# Altium PCB PCB5_制版20140402.PcbDoc (part 4 of 5)
Units mil, origin at the board's own origin, x right, y up, seen from the top; angles counter-clockwise.
Board outline 4763.78 x 6574.87 mil, 6 copper layers (Top Layer, GND, ADDR, DATA, VCC, Bottom Layer), stack 80.842 mil thick; 385 components, 444 nets, 1700 pads, 1572 vias.
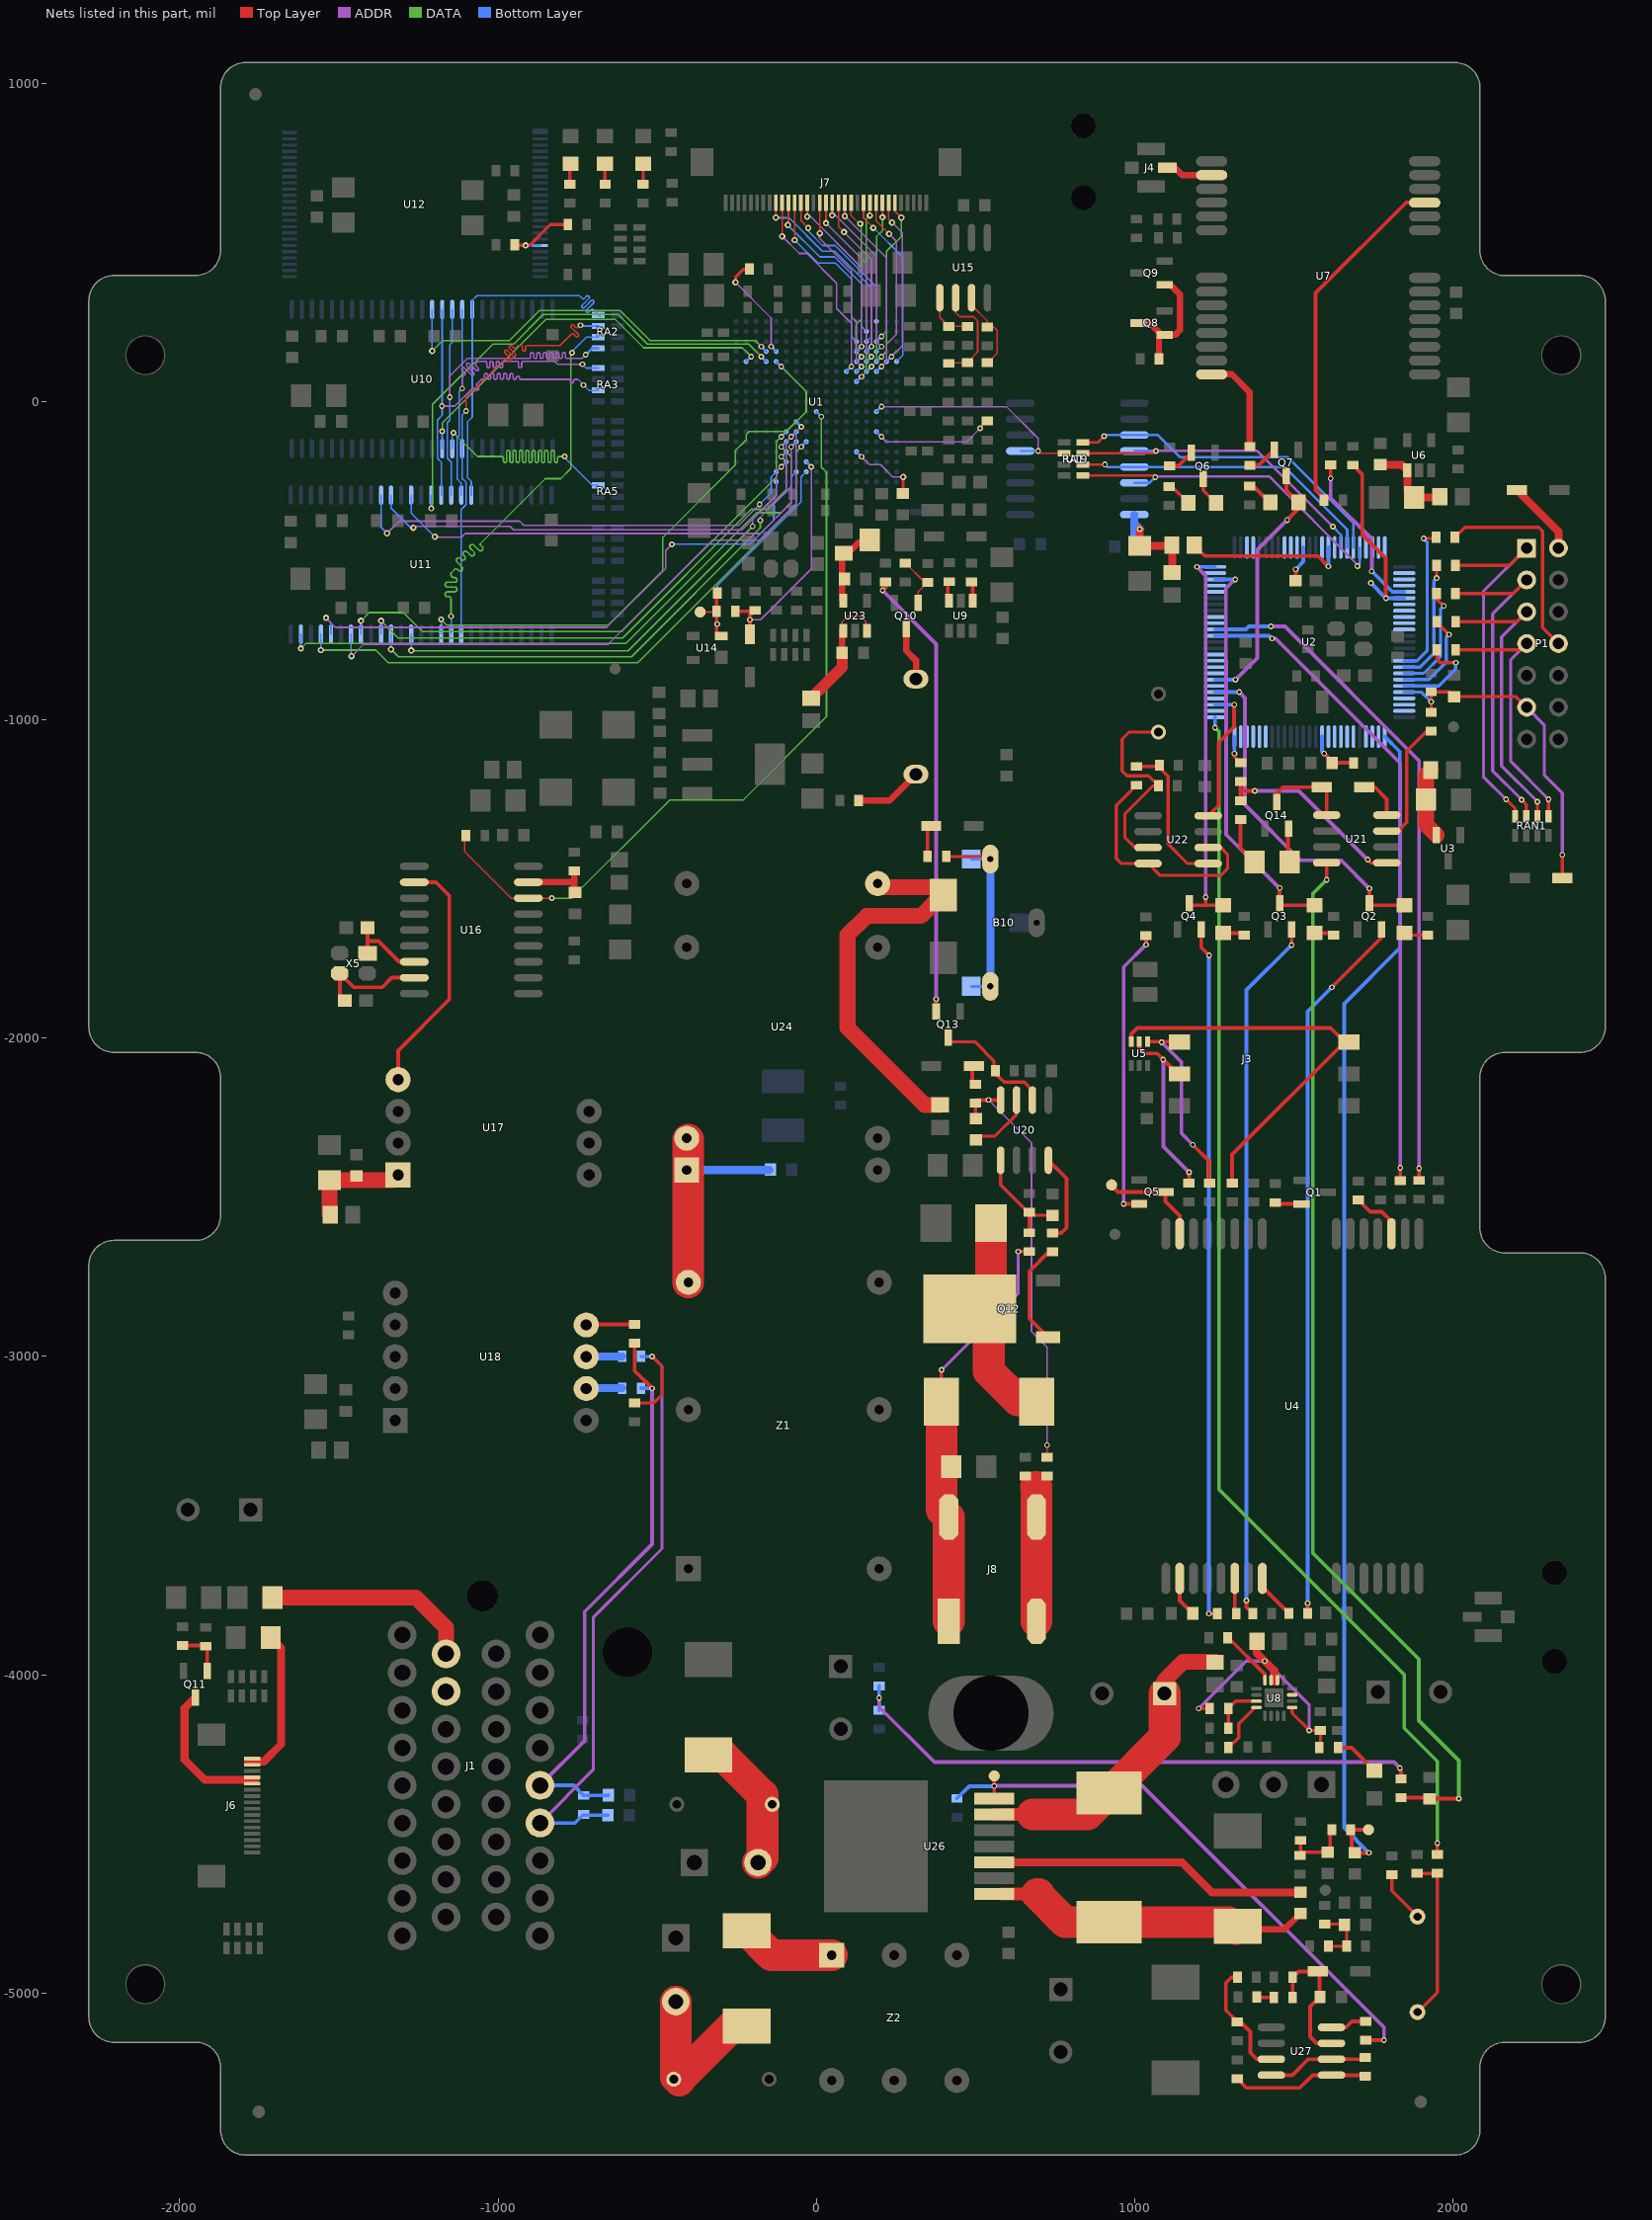
[diagram p8: the nets of this part, all layers, seen from the top]

## Via types
v1: diameter 18, hole 10, Top Layer to Bottom Layer, 1138 vias
v2: diameter 18, hole 10, Top Layer to Bottom Layer, tented both sides, 290 vias
v3: diameter 20, hole 10, Top Layer to Bottom Layer, tented both sides, 89 vias
v4: diameter 50, hole 28, Top Layer to Bottom Layer, 43 vias
v5: diameter 20, hole 10, Top Layer to Bottom Layer, 7 vias
v6: diameter 23.62, hole 11.81, Top Layer to Bottom Layer, tented both sides, 5 vias

## Nets (pads, with @x,y where several pads share a name; then routed paths per layer and width w, separated by ;. In a path a pad name is that pad's centre, name@x,y a point inside that pad or via, vN(x,y) a via of type N, cw(c..) or ccw(c..) an arc to the next point about the centre after c; other vN are vias at no path point) (continued)
LDATA21: U1.E16 U11.10 | length 1471.2
  ADDR w5: v3(-1348.4,-413.82) -1310.01,-375.43 -932.06,-375.43 -918.72,-388.78 -244.09,-388.78 v2(-178.15,-322.83)
  Bottom Layer w5: U11.10@-1367.48,-293.5 -1367.48,-394.74 v3(-1348.4,-413.82) ; v2(-178.15,-322.83) -141.73,-286.42 -141.73,-236.22 U1.E16@-125.98,-220.47
LDATA22: U1.F15 U11.11 | length 1446.5
  ADDR w5: v3(-1265.72,-396.1) -1261.58,-391.96 -961.79,-391.96 -951.2,-402.56 -233.27,-402.56 -125.98,-295.28 -125.98,-220.47 v2(-110.24,-204.72)
  Bottom Layer w5: U11.11@-1335.98,-293.5 -1335.98,-334.7 -1274.58,-396.1 v3(-1265.72,-396.1)
  Bottom Layer w8: v2(-110.24,-204.72) U1.F15@-94.49,-188.98
LDATA23: U1.G13 U11.13 | length 1524.8
  ADDR w5: v3(-1198.79,-424.65) -1197.81,-425.63 -1114.61,-425.63 -1103.35,-414.37 -176.18,-414.37 -78.74,-316.93 v2(-78.74,-141.73)
  Bottom Layer w5: U11.13@-1272.99,-293.5 -1272.99,-350.45 v3(-1198.79,-424.65)
  Bottom Layer w8: v2(-78.74,-141.73) U1.G13@-62.99,-125.98
LDATA24: U1.E17 U11.42 | length 1459.3
  Top Layer w5: v3(-1272.63,-781.78) v3@-1272.46,-781.78
  DATA w5: v3@-1272.63,-788.82 -1266.73,-782.91 -590.99,-782.91 v2(-200,-392)
  Bottom Layer w5: U11.42@-1272.99,-730.5 -1272.99,-781.42 v3(-1272.63,-781.78) ; v2(-200,-392) -200,-368.31 -125.98,-294.29 U1.E17@-125.98,-251.97
LDATA25: U1.G12 U11.44 | length 1734.5
  ADDR w5: v2(-176,-373) -176,-363.01 -94.74,-281.74 -94.74,-126.23 v2(-78.74,-110.24)
  DATA w5: v3(-1335.98,-778.6) -1312.97,-801.62 -580.68,-801.62 -176,-396.93 v2(-176,-373)
  Bottom Layer w5: v3(-1335.98,-778.6) U11.44@-1335.98,-730.5
  Bottom Layer w8: v2(-78.74,-110.24) U1.G12@-62.99,-94.49
LDATA26: U1.F14 U11.45 | length 1661.5
  DATA w5: v3(-1367.48,-688.81) -1313.73,-742.56 -608.7,-742.56 -204.48,-338.33 -156.97,-338.33 -94.74,-276.11 -94.74,-188.73 v2(-110.24,-173.23)
  Bottom Layer w5: U11.45@-1367.48,-730.5 v3(-1367.48,-688.81)
  Bottom Layer w8: v2(-110.24,-173.23) U1.F14@-94.49,-157.48
LDATA27: U1.F12 U11.47 | length 1737.9
  DATA w5: v3(-1430.47,-688.81) -1404.5,-662.84 -1297.22,-662.84 -1238.16,-721.89 -610.67,-721.89 -125.98,-237.2 -125.98,-125.98 v2(-110.24,-110.24)
  Bottom Layer w5: U11.47@-1430.47,-730.5 v3(-1430.47,-688.81)
  Bottom Layer w8: v2(-110.24,-110.24) U1.F12@-94.49,-94.49
LDATA28: U1.G11 U11.48 | length 1936.9
  ADDR w5: v3@-1460.63,-797.53 -1457.5,-797.53 -1422.07,-762.1 -653.83,-762.1 -326.77,-435.04 -179.13,-435.04 -62.99,-318.9 -62.99,-94.49 v2(-47.24,-78.74)
  Bottom Layer w5: U11.48@-1461.97,-730.5 -1461.97,-799.27 v3@-1459.62,-801.62
  Bottom Layer w8: U1.G11@-62.99,-62.99 v2(-47.24,-78.74)
  other v3: -1460.6,-799.65
LDATA29: U1.G16 U11.50 | length 1831.2
  ADDR w5: v3@-1541.31,-679.57 -1511.79,-709.1 -658.44,-709.1 -473.67,-524.33 -473.67,-467.67 v1(-454.23,-448.23)
  Bottom Layer w5: v3(-1540.33,-679.57) -1524.96,-694.94 U11.50@-1524.96,-730.5 ; v1(-454.23,-448.23) -209.19,-448.23 -134,-373.04 -134,-323 -79,-268 -79,-236.48 U1.G16@-62.99,-220.47
LDATA30: U1.H13 U11.51 | length 1975.5
  DATA w5: v3(-1556.46,-780.57) -1384.21,-780.57 -1344.46,-820.32 -561.27,-820.32 -62.99,-322.03 -62.99,-157.48 v2(-47.24,-141.73)
  Bottom Layer w5: v3(-1556.46,-780.57) U11.51@-1556.46,-730.5
  Bottom Layer w8: v2(-47.24,-141.73) U1.H13@-31.5,-125.98
LDATA31: U1.F13 U11.53 | length 1986.4
  DATA w5: v3(-1619.45,-775.65) -1604.08,-760.28 -598.86,-760.28 -187.75,-349.17 -110.98,-349.17 -78.74,-316.93 -78.74,-173.23 v2(-110.24,-141.73)
  Bottom Layer w5: v3(-1619.45,-775.65) U11.53@-1619.45,-730.5
  Bottom Layer w8: v2(-110.24,-141.73) U1.F13@-94.49,-125.98
LDNWBE0: U1.D4 U10.15 | length 1283.7
  DATA w5: v3@-1205.68,160 -1173.75,191.93 -964.57,191.93 -870.08,286.42 -617.13,286.42 -523.62,192.91 ; -523.62,191.93 -191.93,191.93 v2(-173.23,173.23)
  Bottom Layer w5: v3(-1207,159.35) U10.15@-1207,289.5
  Bottom Layer w8: v2(-173.23,173.23) U1.D4@-157.48,157.48
LDNWBE1: U1.B5 U10.39 | length 1260.4
  Top Layer w5: v2(-1175.2,-92.83) v2@-1172.24,-89.87
  DATA w5: v2(-1175.2,-92.83) -1175.2,-66.93 -850.22,258.05 -631.08,258.05 -542.32,169.29 -232.28,169.29 v2(-204.72,141.73)
  Bottom Layer w5: U10.39@-1175.5,-147.5 -1175.5,-93.13 v2(-1175.2,-92.83)
  Bottom Layer w8: U1.B5@-220.47,125.99 v2(-204.72,141.73)
LDNWBE2: U1.D5 U11.15 | length 1597.2
  Top Layer w5: v2(-1209.7,-335.65) v2@-1209.65,-335.59
  DATA w5: v2(-1209.7,-335.65) -1205.71,-331.65 -1205.71,-8.86 -1015.75,181.1 -950.79,181.1 -858.27,273.62 -623.03,273.62 -530.51,181.1 -212.6,181.1 v2(-173.23,141.73)
  Bottom Layer w5: U11.15@-1210,-293.5 -1210,-335.35 v2(-1209.7,-335.65)
  Bottom Layer w8: v2(-173.23,141.73) U1.D5@-157.48,125.99
LDNWBE3: U1.E5 U11.39 | length 1770.6
  DATA w5: v2(-1178.5,-684.68) -1160.43,-702.76 -655.51,-702.76 -482,-529.24 -482,-426.88 -254.92,-199.8 -254.92,-154.53 -220.22,-119.83 -220.22,-103.82 -210.65,-94.24 -94.24,-94.24 -31.74,-31.74 -31.74,31.75 v2(-110.24,110.24)
  Bottom Layer w5: U11.39@-1178.5,-730.5 v2(-1178.5,-684.68)
  Bottom Layer w8: U1.E5@-125.98,125.99 v2(-110.24,110.24)
LNSCAS: RA2.5 U10.17 U11.17 | length 1336.3
  ADDR w5: v2(-1151.53,13.78) -1151.53,80.75 -1096.78,135.5 -902.95,135.5 ccw(c-902.95,140.5) -897.95,140.5 -897.95,149.18 cw(c-892.95,149.18) -892.95,154.18 cw(c-892.95,149.18) -887.95,149.18 -887.95,140.5 ccw(c-882.95,140.5) -882.95,135.5 ccw(c-882.95,140.5) -877.95,140.5 -877.95,149.18 cw(c-872.95,149.18) -872.95,154.18 cw(c-872.95,149.18) -867.95,149.18 -867.95,140.5 ccw(c-862.95,140.5) -862.95,135.5 ccw(c-862.95,140.5) -857.95,140.5 -857.95,149.18 cw(c-852.95,149.18) -852.95,154.18 cw(c-852.95,149.18) -847.95,149.18 -847.95,140.5 ccw(c-842.95,140.5) -842.95,135.5 ccw(c-842.95,140.5) -837.95,140.5 -837.95,149.18 cw(c-832.95,149.18) -832.95,154.18 cw(c-832.95,149.18) -827.95,149.18 -827.95,140.5 ccw(c-822.95,140.5) -822.95,135.5 ccw(c-822.95,140.5) -817.95,140.5 -817.95,149.18 cw(c-812.95,149.18) -812.95,154.18 cw(c-812.95,149.18) -807.95,149.18 -807.95,140.5 ccw(c-802.95,140.5) -802.95,135.5 ccw(c-802.95,140.5) -797.95,140.5 -797.95,149.18 cw(c-792.95,149.18) -792.95,154.18 cw(c-792.95,149.18) -787.95,149.18 -787.95,140.5 ccw(c-782.95,140.5) -782.95,135.5 -736.55,135.5 v2(-724.41,147.64)
  Bottom Layer w5: U11.17@-1147.01,-293.5 -1147.01,-189.81 -1159.2,-177.62 -1159.2,-65.7 -1151.53,-58.03 v2(-1151.53,13.78) -1151.53,178.78 -1144.01,186.31 U10.17@-1144.01,289.5
  Bottom Layer w8: v2(-724.41,147.64) -704.41,167.64 RA2.5@-685.13,167.64
LNSCS0: RA2.8 U10.19 U11.19 | length 1199.9
  Bottom Layer w5: U11.19@-1084.02,-293.5 -1084.02,-250.48 -1096.21,-238.29 -1096.21,-63.73 -1081.02,-48.54 U10.19@-1081.02,289.5 -1081.02,318.48 -1066.5,333 -744.42,333 -735.65,324.23 ccw(c-732.12,327.77) -728.58,324.23 -721.51,331.3 cw(c-717.97,327.77) -714.44,331.3 cw(c-717.97,327.77) -714.44,324.23 -735.65,303.02 ccw(c-732.12,299.48) -735.65,295.95 ccw(c-732.12,299.48) -728.58,295.95 -707.37,317.16 cw(c-703.83,313.63) -700.3,317.16 cw(c-703.83,313.63) -700.3,310.09 -721.51,288.88 ccw(c-717.97,285.34) -721.51,281.81 ccw(c-717.97,285.34) -714.44,281.81 -707.37,288.88 cw(c-703.83,285.34) -700.3,288.88 RA2.8@-684.06,272.64 ; RA2.8@-685.13,272.64 RA2.8@-684.06,272.64 ; RA2.8@-677.71,266.29 RA2.8@-684.06,272.64
LNSRAS: RA3.8 U10.18 U11.18 | length 1350.4
  ADDR w5: v2(-1112.51,41.34) -1112.51,76.46 -1104.9,84.07 ccw(c-1108.44,87.61) -1104.9,91.14 -1111.97,98.22 cw(c-1108.44,101.75) -1111.97,105.29 cw(c-1108.44,101.75) -1104.9,105.29 -1083.69,84.07 ccw(c-1080.15,87.61) -1076.62,84.07 ccw(c-1080.15,87.61) -1076.62,91.14 -1097.83,112.36 cw(c-1094.3,115.89) -1097.83,119.43 cw(c-1094.3,115.89) -1090.76,119.43 -1069.55,98.22 ccw(c-1066.01,101.75) -1062.48,98.22 ccw(c-1066.01,101.75) -1062.48,105.29 -1069.55,112.36 cw(c-1066.01,115.89) -1069.55,119.43 -1062.48,126.5 -1040.59,126.5 cw(c-1040.59,121.5) -1035.59,121.5 -1035.59,111.5 ccw(c-1030.59,111.5) -1030.59,106.5 ccw(c-1030.59,111.5) -1025.59,111.5 -1025.59,121.5 cw(c-1020.59,121.5) -1020.59,126.5 cw(c-1020.59,121.5) -1015.59,121.5 -1015.59,111.5 ccw(c-1010.59,111.5) -1010.59,106.5 ccw(c-1010.59,111.5) -1005.59,111.5 -1005.59,121.5 cw(c-1000.59,121.5) -1000.59,126.5 cw(c-1000.59,121.5) -995.59,121.5 -995.59,111.5 ccw(c-990.59,111.5) -990.59,106.5 ccw(c-990.59,111.5) -985.59,111.5 -985.59,121.5 cw(c-980.59,121.5) -980.59,126.5 -940.59,126.5 cw(c-940.59,121.5) -935.59,121.5 -935.59,111.5 ccw(c-930.59,111.5) -930.59,106.5 ccw(c-930.59,111.5) -925.59,111.5 -925.59,121.5 cw(c-920.59,121.5) -920.59,126.5 -822.08,126.5 -812.7,117.13 v2(-735.24,117.13)
  Bottom Layer w5: U11.18@-1115.51,-293.5 -1115.51,-255.98 -1127.7,-243.79 -1127.7,-111.19 -1122.05,-105.54 -1122.05,31.8 v2(-1112.51,41.34) U10.18@-1112.51,289.5 ; v2(-735.24,117.13) -723.69,105.58 RA3.8@-685.13,105.58
LNWE: RA3.6 U10.16 U11.16 | length 1328.8
  ADDR w5: v2(-1176.5,-14) -1136.05,-14 -1080.45,41.6 cw(c-1076.91,38.06) -1073.38,41.6 -1069.1,37.32 ccw(c-1065.56,40.85) -1062.03,37.32 ccw(c-1065.56,40.85) -1062.03,44.39 -1066.31,48.67 cw(c-1062.77,52.2) -1066.31,55.74 -1052.17,69.88 -1047.87,69.88 ccw(c-1047.87,74.88) -1042.87,74.88 -1042.87,83.67 cw(c-1037.87,83.67) -1037.87,88.67 cw(c-1037.87,83.67) -1032.87,83.67 -1032.87,74.88 ccw(c-1027.87,74.88) -1027.87,69.88 ccw(c-1027.87,74.88) -1022.87,74.88 -1022.87,83.67 cw(c-1017.87,83.67) -1017.87,88.67 cw(c-1017.87,83.67) -1012.87,83.67 -1012.87,74.88 ccw(c-1007.87,74.88) -1007.87,69.88 ccw(c-1007.87,74.88) -1002.87,74.88 -1002.87,83.67 cw(c-997.87,83.67) -997.87,88.67 cw(c-997.87,83.67) -992.87,83.67 -992.87,74.88 ccw(c-987.87,74.88) -987.87,69.88 ccw(c-987.87,74.88) -982.87,74.88 -982.87,83.67 cw(c-977.87,83.67) -977.87,88.67 cw(c-977.87,83.67) -972.87,83.67 -972.87,74.88 ccw(c-967.87,74.88) -967.87,69.88 ccw(c-967.87,74.88) -962.87,74.88 -962.87,83.67 cw(c-957.87,83.67) -957.87,88.67 cw(c-957.87,83.67) -952.87,83.67 -952.87,74.88 ccw(c-947.87,74.88) -947.87,69.88 ccw(c-947.87,74.88) -942.87,74.88 cw(c-937.87,74.88) -937.87,79.88 cw(c-937.87,74.88) -932.87,74.88 ccw(c-927.87,74.88) -927.87,69.88 -777.87,69.88 cw(c-777.87,64.88) -772.87,64.88 -772.87,63.49 ccw(c-767.87,63.49) -767.87,58.49 ccw(c-767.87,63.49) -762.87,63.49 -762.87,64.88 cw(c-757.87,64.88) -757.87,69.88 -749.02,69.88 v2(-731.3,52.17)
  Bottom Layer w5: U11.16@-1178.5,-293.5 -1178.5,-189.81 -1190.7,-177.62 -1190.7,-57.82 -1175.5,-42.63 U10.16@-1175.5,289.5 ; v2(-731.3,52.17) -714.72,35.58 RA3.6@-685.13,35.58
LSCKE: RA2.7 U10.37 U11.37 | length 1479.5
  Top Layer w5: v2(-1100.39,-29.53) -1100.39,12.8 -979.43,133.75 cw(c-975.9,130.22) -972.36,133.75 -967,128.39 ccw(c-963.47,131.93) -959.93,128.39 ccw(c-963.47,131.93) -959.93,135.46 -977.73,153.26 cw(c-974.19,156.79) -977.73,160.33 cw(c-974.19,156.79) -970.65,160.33 -952.86,142.53 ccw(c-949.32,146.07) -945.79,142.53 ccw(c-949.32,146.07) -945.79,149.61 -963.58,167.4 cw(c-960.05,170.94) -963.58,174.47 cw(c-960.05,170.94) -956.51,174.47 -951.15,169.11 ccw(c-947.61,172.65) -944.08,169.11 -937.01,176.18 -928.46,176.18 cw(c-928.46,171.18) -923.46,171.18 -923.46,163.6 ccw(c-918.46,163.6) -918.46,158.6 ccw(c-918.46,163.6) -913.46,163.6 -913.46,171.18 cw(c-908.46,171.18) -908.46,176.18 -805.16,176.18 -769.46,211.89 cw(c-765.93,208.35) -762.39,211.88 -755.32,204.81 ccw(c-751.78,208.35) -748.25,204.81 ccw(c-751.78,208.35) -748.25,211.88 -769.46,233.1 cw(c-765.93,236.63) -769.46,240.17 cw(c-765.93,236.63) -762.39,240.17 -755.32,233.1 ccw(c-751.78,236.63) -748.25,233.1 v2(-741.18,240.17)
  Bottom Layer w5: U11.37@-1115.51,-730.5 -1115.51,-338.8 -1100.32,-323.61 -1100.32,-253.18 -1112.51,-240.98 U10.37@-1112.51,-147.5 -1112.51,-41.65 v2(-1100.39,-29.53) ; v2@-738.65,237.64 RA2.7@-685.13,237.64
LSCLK0: RA5.7 U10.38 | length 1154.5
  Top Layer w5: v2@-790.39,-175.16 v2(-790.39,-172.25)
  DATA w5: v2(-1139.76,-97.44) -1064.95,-172.25 -988.07,-172.25 cw(c-988.07,-177.25) -983.07,-177.25 -983.07,-186.41 ccw(c-978.07,-186.41) -978.07,-191.41 ccw(c-978.07,-186.41) -973.07,-186.41 -973.07,-158.1 cw(c-968.07,-158.1) -968.07,-153.1 cw(c-968.07,-158.1) -963.07,-158.1 -963.07,-186.41 ccw(c-958.07,-186.41) -958.07,-191.41 ccw(c-958.07,-186.41) -953.07,-186.41 -953.07,-158.1 cw(c-948.07,-158.1) -948.07,-153.1 cw(c-948.07,-158.1) -943.07,-158.1 -943.07,-186.41 ccw(c-938.07,-186.41) -938.07,-191.41 ccw(c-938.07,-186.41) -933.07,-186.41 -933.07,-158.1 cw(c-928.07,-158.1) -928.07,-153.1 cw(c-928.07,-158.1) -923.07,-158.1 -923.07,-186.41 ccw(c-918.07,-186.41) -918.07,-191.41 ccw(c-918.07,-186.41) -913.07,-186.41 -913.07,-158.1 cw(c-908.07,-158.1) -908.07,-153.1 cw(c-908.07,-158.1) -903.07,-158.1 -903.07,-186.41 ccw(c-898.07,-186.41) -898.07,-191.41 ccw(c-898.07,-186.41) -893.07,-186.41 -893.07,-158.1 cw(c-888.07,-158.1) -888.07,-153.1 cw(c-888.07,-158.1) -883.07,-158.1 -883.07,-186.41 ccw(c-878.07,-186.41) -878.07,-191.41 ccw(c-878.07,-186.41) -873.07,-186.41 -873.07,-158.1 cw(c-868.07,-158.1) -868.07,-153.1 cw(c-868.07,-158.1) -863.07,-158.1 -863.07,-186.41 ccw(c-858.07,-186.41) -858.07,-191.41 ccw(c-858.07,-186.41) -853.07,-186.41 -853.07,-158.1 cw(c-848.07,-158.1) -848.07,-153.1 cw(c-848.07,-158.1) -843.07,-158.1 -843.07,-186.41 ccw(c-838.07,-186.41) -838.07,-191.41 ccw(c-838.07,-186.41) -833.07,-186.41 -833.07,-158.1 cw(c-828.07,-158.1) -828.07,-153.1 cw(c-828.07,-158.1) -823.07,-158.1 -823.07,-186.41 ccw(c-818.07,-186.41) -818.07,-191.41 ccw(c-818.07,-186.41) -813.07,-186.41 -813.07,-177.25 cw(c-808.07,-177.25) -808.07,-172.25 v2(-790.39,-172.25)
  Bottom Layer w5: U10.38@-1144.01,-147.5 -1144.01,-101.69 v2(-1139.76,-97.44) ; v2(-790.39,-172.25) -790.39,-176.14 -703,-263.54 RA5.7@-685.13,-263.54
LSCLK1: RA2.6 U11.38 | length 1456
  DATA w5: v2(-1147.64,-674.21) -1147.64,-620.08 ccw(c-1155.14,-620.08) -1155.14,-612.58 -1158.92,-612.58 cw(c-1158.92,-605.08) -1166.42,-605.08 cw(c-1158.92,-605.08) -1158.92,-597.58 -1136.36,-597.58 ccw(c-1136.36,-590.08) -1128.86,-590.08 ccw(c-1136.36,-590.08) -1136.36,-582.58 -1158.92,-582.58 cw(c-1158.92,-575.08) -1166.42,-575.08 cw(c-1158.92,-575.08) -1158.92,-567.58 -1136.36,-567.58 ccw(c-1136.36,-560.08) -1128.86,-560.08 ccw(c-1136.36,-560.08) -1136.36,-552.58 -1140.14,-552.58 cw(c-1140.14,-545.08) -1147.64,-545.08 -1147.64,-538.39 -1137.03,-527.78 cw(c-1131.73,-533.08) -1126.43,-527.78 -1123.75,-530.45 ccw(c-1118.45,-525.15) -1113.14,-530.45 ccw(c-1118.45,-525.15) -1113.14,-519.85 -1129.1,-503.89 cw(c-1123.8,-498.59) -1129.1,-493.29 cw(c-1123.8,-498.59) -1118.5,-493.28 -1115.82,-495.96 ; -1115.81,-495.96 ccw(c-1110.51,-490.66) -1105.21,-495.96 ccw(c-1110.51,-490.66) -1105.21,-485.36 -1107.89,-482.68 cw(c-1102.58,-477.38) -1107.89,-472.07 cw(c-1102.58,-477.38) -1097.28,-472.07 -1086.68,-482.67 ccw(c-1081.37,-477.37) -1076.07,-482.67 ccw(c-1081.37,-477.37) -1076.07,-472.07 ; -1076.07,-472.07 -1086.67,-461.47 cw(c-1081.37,-456.16) -1086.67,-450.86 cw(c-1081.37,-456.16) -1076.07,-450.86 ; -1076.07,-450.86 -1060.11,-466.81 ccw(c-1054.81,-461.51) -1049.5,-466.81 ccw(c-1054.81,-461.51) -1049.5,-456.21 ; -1049.5,-456.21 -1056.1,-449.61 cw(c-1054.72,-448.23) -1056.1,-446.85 -851.38,-242.13 -803.15,-242.13 -771.44,-210.42 -771.44,149.82 v2(-767.72,153.54)
  Bottom Layer w5: v2(-1147.64,-674.21) -1147.01,-674.84 U11.38@-1147.01,-730.5 ; v2(-767.72,153.54) -769.69,155.51 -722.55,202.64 RA2.6@-685.13,202.64
LVD2: J7.20 U1.N4 | length 551.1
  Top Layer w5: v3(-28.67,581.41) J7.20@-28.67,624.44
  ADDR w5: v3(-28.67,581.41) -27.84,582.24 -18.68,582.24 141.73,421.83 v2(141.73,173.23)
  Bottom Layer w8: U1.N4@125.99,157.48 v2(141.73,173.23)
LVD3: J7.21 U1.R1 | length 494.1
  Top Layer w5: J7.21@-48.36,624.44 -48.36,568.62 v3(-25.57,545.83)
  Bottom Layer w5: v3(-25.57,545.83) -25.57,535.98 19.71,490.71 59.49,490.71 188.98,361.22 U1.R1@188.98,251.97
LVD4: J7.22 U1.N3 | length 548.3
  Top Layer w5: v3(-68.04,507.6) J7.22@-68.04,624.44
  Bottom Layer w5: v3(-68.04,507.6) 4.45,435.1 59.9,435.1 110.24,384.76 110.24,204.73 U1.N3@125.99,188.98
LVD5: J7.23 U1.P2 | length 534.5
  Top Layer w5: v3(-89.5,554.9) -87.73,556.67 J7.23@-87.73,624.44
  Bottom Layer w5: v3(-89.5,554.9) 10.61,454.78 57.6,454.78 141.49,370.9 141.49,236.47 U1.P2@157.48,220.47
LVD6: J7.24 U1.M6 | length 640.7
  Top Layer w5: v3(-107.41,519.41) J7.24@-107.41,624.44
  ADDR w5: v3(-107.41,519.41) -53.62,465.61 -29.61,465.61 63.98,372.02 63.98,292.32 110.24,246.06 v2(110.24,110.24)
  Bottom Layer w8: U1.M6@94.49,94.49 v2(110.24,110.24)
LVD7: J7.25 U1.P3 | length 611.5
  Top Layer w5: v3(-127.1,578.46) J7.25@-127.1,624.44
  Bottom Layer w5: v3@-125.96,577.32 -85.6,577.32 18.73,472.99 58.1,472.99 173.23,357.86 173.23,204.72 U1.P3@157.48,188.98
LVD10: J7.13 U1.N5 | length 532
  Top Layer w5: J7.13@109.12,624.44 109.12,585.35 135.64,558.84 v3(137.87,558.84)
  DATA w5: v2(141.73,141.73) 125.03,158.44 125.03,241.96 141.76,258.7 v3@141.76,558.84
  Bottom Layer w8: U1.N5@125.99,125.99 v2(141.73,141.73)
LVD11: J7.14 U1.R3 | length 502.8
  Top Layer w5: v3(89.44,583.07) J7.14@89.44,624.44
  ADDR w5: v3(89.44,583.07) 220.47,452.04 220.47,220.47 v2(204.72,204.72)
  Bottom Layer w8: U1.R3@188.98,188.98 v2(204.72,204.72)
LVD12: J7.15 U1.P4 | length 516.3
  Top Layer w5: J7.15@69.75,624.44 69.75,549.61 v3(86.64,532.72)
  ADDR w5: v3(86.64,532.72) 173.23,446.13 v2(173.23,173.23)
  Bottom Layer w8: U1.P4@157.48,157.48 v2(173.23,173.23)
LVD13: J7.16 U1.R4 | length 543.9
  Top Layer w5: v3(50.07,585.35) J7.16@50.07,624.44
  ADDR w5: v3(50.07,585.35) 60.89,585.35 188.98,457.27 188.98,188.98 v2(204.72,173.23)
  Bottom Layer w5: U1.R4@188.98,157.48 v2(204.72,173.23)
LVD14: J7.17 U1.P5 | length 564.1
  Top Layer w5: v3(30.38,560.75) J7.17@30.38,624.44
  ADDR w5: v3(30.38,560.75) 157.48,433.64 157.48,157.48 v2(173.23,141.73)
  Bottom Layer w8: U1.P5@157.48,125.99 v2(173.23,141.73)
LVD15: J7.18 U1.N6 | length 589.7
  Top Layer w5: v3(10.7,528.96) J7.18@10.7,624.44
  ADDR w5: v3@8.86,527.12 8.86,514.35 110,413.21 110,266.96 125.98,250.98 125.98,125.99 v2(141.73,110.24)
  Bottom Layer w8: U1.N6@125.99,94.49 v2(141.73,110.24)
LVD18: J7.6 U1.R5 | length 538.9
  Top Layer w5: J7.6@246.92,624.44 246.92,598.15 v3(266.76,578.31)
  DATA w5: v2(204.73,141.73) 220.72,157.73 220.72,472.72 266.76,518.75 v3(266.76,578.31)
  Bottom Layer w8: U1.R5@188.98,125.99 v2(204.73,141.73)
LVD19: J7.7 U1.T5 | length 537.3
  Top Layer w5: J7.7@227.23,624.44 227.23,573.54 v3(238.21,562.56)
  ADDR w5: v2(236.22,141.73) 270.69,176.21 270.69,530.08 v3(238.21,562.56)
  Bottom Layer w8: U1.T5@220.47,125.99 v2(236.22,141.73)
LVD20: J7.8 U1.P6 | length 550.6
  Top Layer w5: v3(207.55,579.13) J7.8@207.55,624.44
  DATA w5: v2(173.23,110.24) 188.98,125.98 188.98,518.24 207.7,536.97 v3@207.7,578.98
  Bottom Layer w8: U1.P6@157.48,94.49 v2(173.23,110.24)
LVD21: J7.9 U1.R6 | length 582.6
  Top Layer w5: J7.9@187.86,624.44 187.86,568.07 v3(228.81,527.12)
  ADDR w5: v2(204.73,110.24) 220.72,126.23 220.72,148.15 220.72,179.91 251.97,211.15 251.97,503.96 v3(228.81,527.12)
  Bottom Layer w8: U1.R6@188.98,94.49 v2(204.73,110.24)
LVD22: J7.10 U1.N7 | length 578.9
  Top Layer w5: v3(168.18,585.04) J7.10@168.18,624.44
  DATA w5: v2(141.73,78.74) 157.48,94.49 157.48,574.34 v3(168.18,585.04)
  Bottom Layer w8: U1.N7@125.99,62.99 v2(141.73,78.74)
LVD23: J7.11 U1.U5 | length 557.6
  Top Layer w5: J7.11@148.49,624.44 148.49,576.9 v3(179.16,546.23)
  Bottom Layer w5: v3(179.16,546.23) 271.65,453.74 271.65,145.67 U1.U5@251.97,125.99
M\R\: J1.16
MNET: B3.2 Q4.3 U2.50 | length 1240.9
  Top Layer w12: Q4.3@1171.76,-1575.89 1178.33,-1582.46 1223,-1582.46 ; v1(1223,-1557) 1223,-1582.46 ; B3.2@1278.76,-1582.46 1223,-1582.46
  ADDR w12: v1(1195.99,-519.01) 1223,-546.01 v1(1223,-1557)
  Bottom Layer w10: v1(1195.99,-519.01) U2.50@1252.51,-519.01
MNSS1/EINT11/GPG3: RA1.3 U2.68 U19.12 | length 1037.7